# KiCad board current3x3A_Artiq.kicad_pcb (continued)
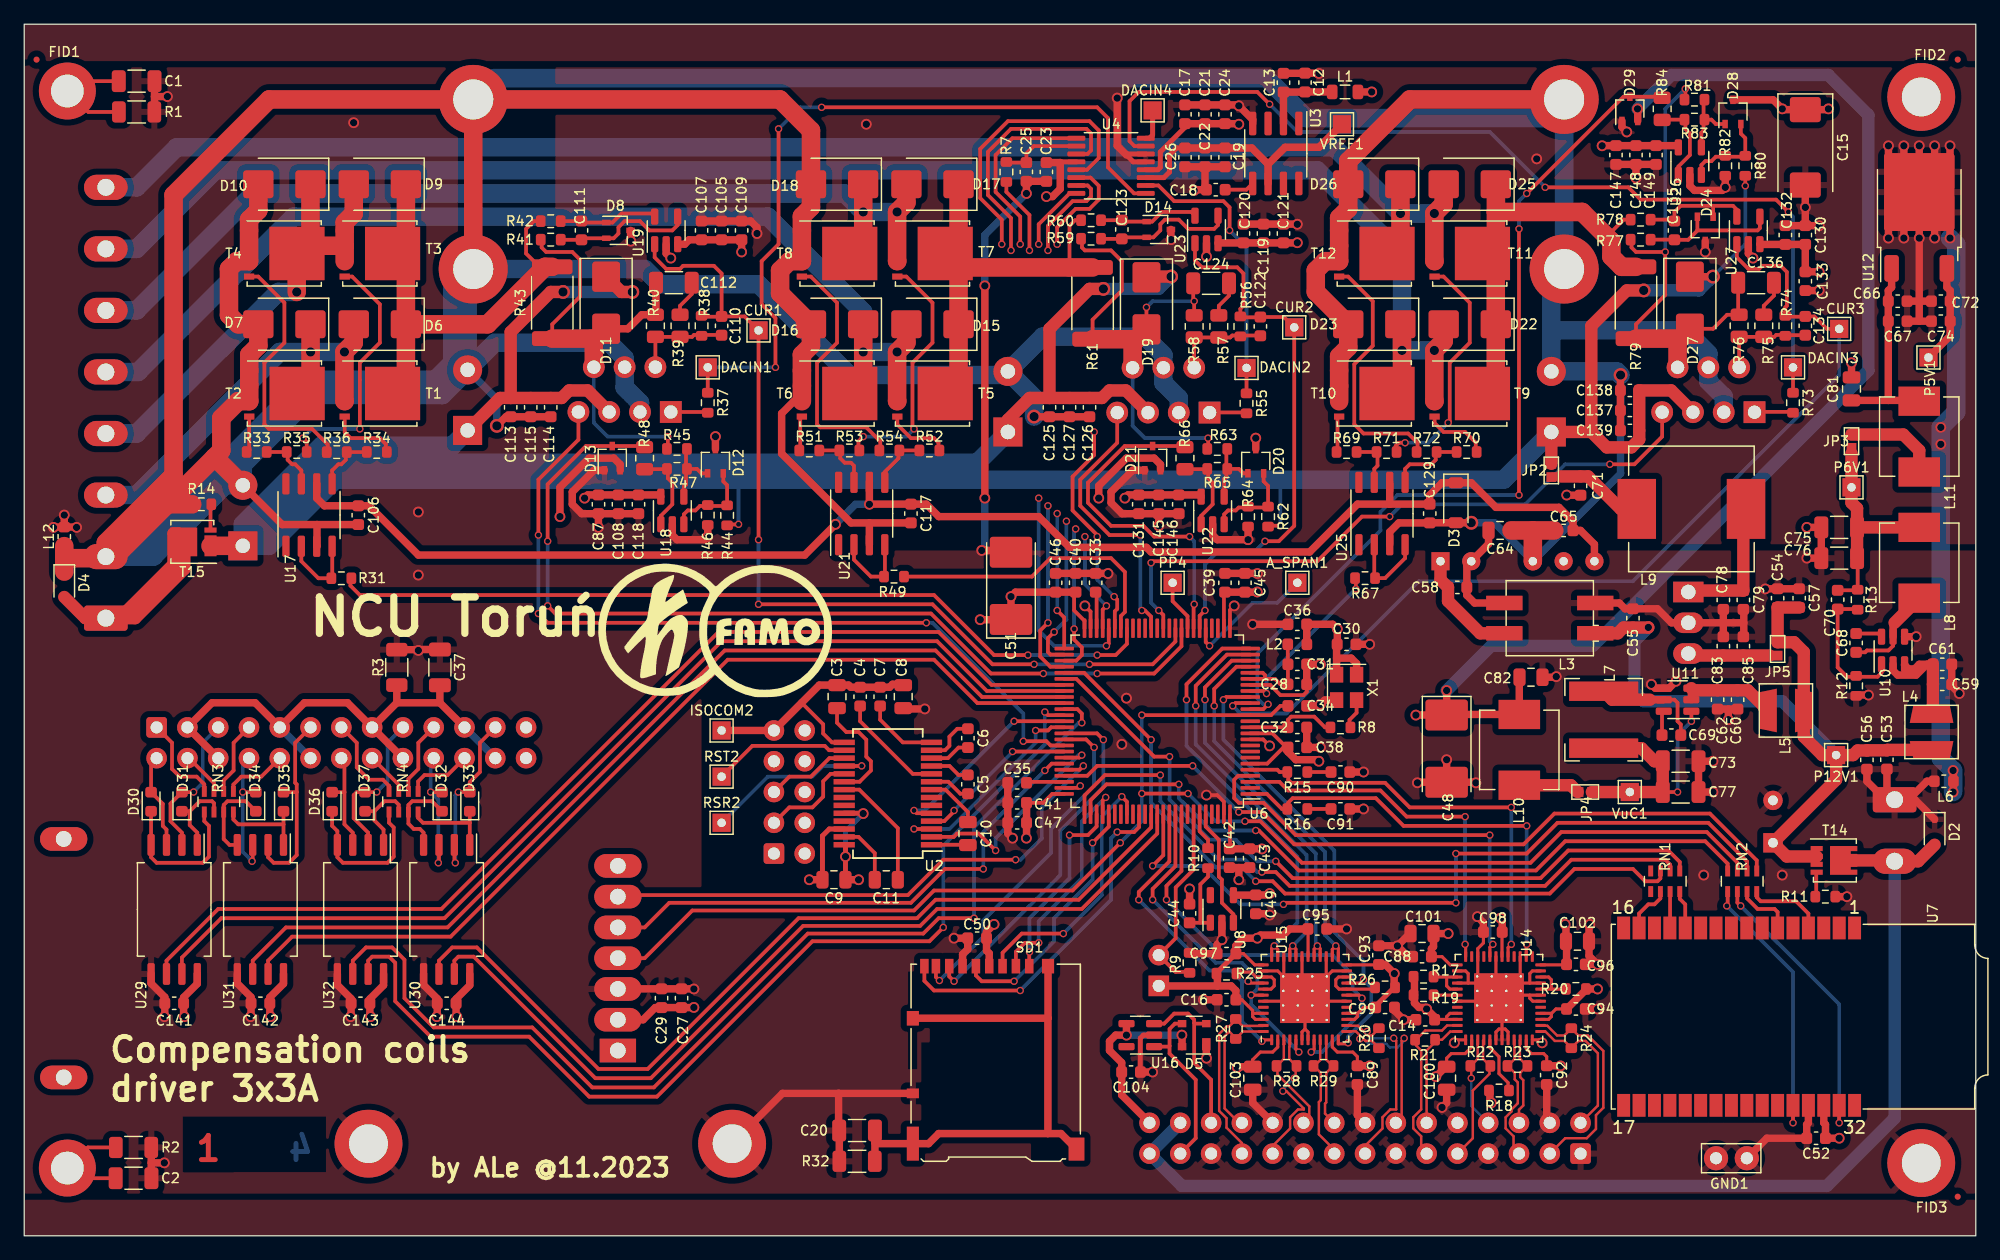
[diagram p0: board, top side]
## Routing (per net, layer and track width the routed paths; a pad name or vN(x,y) marks a point on that pad's centre or on a via; arc(x,y) is an arc through that point) (continued)
J4_3: length 37.4
  Top w1.524: T2.5 23.62,70.63 v3(23.62,72.95) 23.62,75.23 D7.1 ; T1.3 26.42,68.91 v3(26.42,72.95) 27.19,73.72 D6.2
  Bottom w1.524: J1.3 9.27,61.14 21.08,72.95 v3(23.62,72.95) v3(26.42,72.95)
J4_4: length 40.8
  Top w1.524: T3.2 23.13,81.71 T4.5 ; T3.3 T3.1 26.44,83.64 27.19,84.39 D9.2 ; T4.5 23.61,82.19 D10.1 ; T4.5 22.48,81.06 v3(22.48,77.9)
  Bottom w1.524: J1.4 9.27,66.22 20.95,77.9 v3(22.48,77.9)
J4_5: length 90
  Top w1.524: T6.5 69.22,70.63 v3(69.22,72.95) 69.22,75.23 D16.1 ; D15.2 72.78,73.72 v3(72.01,72.95) 72.01,68.91 T5.3
  Bottom w1.524: v3(72.01,72.95) v3(69.22,72.95) 69.22,76.25 61.34,84.12 22.23,84.12 9.4,71.3 J1.5
J4_6: length 82.8
  Top w1.524: T8.5 69.22,82.19 v3(69.22,84.51) 69.22,86.78 D18.1 ; T7.3 72.01,80.46 v3(72.01,84.51) 72.78,85.28 D17.2
  Bottom w1.524: v3(72.01,84.51) v3(69.22,84.51) 67.69,86.03 18.92,86.03 9.27,76.38 J1.6
J4_7: length 136
  Top w1.524: 113.53,75.23 113.67,75.1 v3(113.67,73.08) 113.67,70.76 T10.5 ; T9.3 116.33,68.91 v3(116.33,73.08) 117.1,73.85 D22.2
  Bottom w1.524: J1.7 9.27,81.46 15.75,87.94 106.68,87.94 113.67,80.95 v3(113.67,73.08) v3(116.33,73.08)
J4_8: length 126.1
  Top w1.524: D25.2 117.1,85.15 v3(116.33,84.38) 116.33,80.46 T11.3 ; T12.5 113.54,82.19 v3(113.54,84.38) 113.54,86.78 113.53,86.79
  Bottom w1.524: v3(116.33,84.38) v3(113.54,84.38) 108.08,89.84 12.57,89.84 9.27,86.54 J1.8
SPI_MISO: length 35.6
  Top w0.254: v2(121.16,24.05) 120.92,23.81 U14.32
  Top w0.305: v2(120.9,33.07) 104.9,33.07 102.23,35.74 100.2,35.74 99.82,36.12 99.82,37.64 100.15,37.97 101.15,37.97
  Bottom w0.305: v2(121.16,24.05) 120.9,24.31 v2(120.9,33.07)
SPI_MOSI: length 35.6
  Top w0.254: v2(122.68,24.05) 122.42,23.79 U14.29
  Top w0.305: 101.15,38.47 103.38,38.47 103.57,38.28 104.28,38.28 104.28,37.63 104.52,37.39 112.27,37.39 114.3,35.36 v2(122.68,35.36)
  Bottom w0.305: v2(122.68,35.36) v2(122.68,24.05)
SPI_NSS: length 30.5
  Top w0.254: v2(118.87,24.05) 118.92,24.01 U14.36
  Top w0.305: v2(118.87,34.59) 114.05,34.59 111.89,36.75 104.27,36.75 103.55,37.47 101.15,37.47
  Bottom w0.305: v2(118.87,34.59) v2(118.87,24.05)
SPI_SCK: length 35.7
  Top w0.254: v2(123.95,24.05) 123.92,24.02 U14.26
  Top w0.305: v2(123.95,33.83) 113.79,33.83 111.51,36.12 104.65,36.12 104.28,35.75 104.28,35.23 103.76,35.23 102.52,36.47 101.15,36.47
  Bottom w0.305: v2(123.95,33.83) v2(123.95,24.05)
TTL0: length 88.2
  Top w0.305: U29.6 11.74,22.71 16,26.97 34.42,26.97 57.28,49.84 75.44,49.84 79.8,45.47 U6.57
TTL1: length 86.7
  Top w0.305: U29.7 13.01,22.96 16.26,26.21 34.67,26.21 57.53,49.07 75.31,49.07 79.42,44.97 U6.58
TTL2: length 80.2
  Top w0.305: U31.6 18.85,22.71 21.59,25.45 34.92,25.45 57.78,48.31 75.18,48.31 79.03,44.47 U6.59
TTL3: length 78.5
  Top w0.305: U31.7 20.12,22.71 22.1,24.69 35.18,24.69 58.04,47.55 75.06,47.55 78.64,43.97 U6.60
TTL4: length 87.6
  Top w0.305: 27.1,21.61 27.1,22.71 28.19,23.8 30.35,23.8 31.37,22.78 31.37,19.61 33.78,17.2 41.91,17.2 46.86,12.24 51.94,12.24 64.64,24.94 74.17,24.94 75.44,26.21 v2(78.36,26.21) ; v2(87.25,42.34) 87.25,43.1 86.88,43.47 U6.61
  Bottom w0.305: v2(78.36,26.21) 78.36,33.71 87,42.34 v2(87.25,42.34)
TTL5: length 84.1
  Top w0.305: v2(75.82,25.45) 74.68,24.31 65.02,24.31 52.2,11.48 46.61,11.48 41.66,16.43 33.53,16.43 30.61,19.36 30.61,22.53 30.1,23.04 28.7,23.04 28.37,22.71 U32.7 ; v2(84.2,43.23) 84.46,42.97 U6.62
  Bottom w0.305: v2(75.82,25.45) 75.82,32.18 84.2,40.56 v2(84.2,43.23)
TTL6: length 73.8
  Top w0.305: U30.6 34.22,22.71 35.31,23.8 37.34,23.8 47.37,13.77 51.44,13.77 63.88,26.21 73.66,26.21 75.18,27.74 87,27.74 92.97,33.71 U6.87
TTL7: length 73.3
  Top w0.305: U6.88 93.47,33.2 87.25,26.97 75.31,26.97 73.91,25.58 64.26,25.58 51.69,13 47.12,13 37.08,23.04 35.81,23.04 35.48,22.71 U30.7
Vdrive: length 122.3
  Top w0.61: U25.6 112.65,60.39 ; 112.65,60.39 110,60.39 106.05,56.44 92.96,56.44 92.58,56.82 86.23,56.82 83.69,59.36 75.45,59.36 74.42,60.39 C117.1 69.74,60.39 v1(69.72,60.38) U21.6 ; 112.65,60.39 C129.1 115.95,61.14 116.97,62.15 D3.1 119.38,62.15 121.41,60.12 126.62,60.12 127.78,58.97 C65.1 128.4,58.22 129.54,57.07 U9.6 ; U17.6 24.13,60.88 24.76,60.25 C106.1 28.45,60.25 32.52,56.19 64.39,56.19 v1(66.93,58.73)
  Bottom w0.61: v1(66.93,58.73) 68.58,60.38 v1(69.72,60.38)
Net-(BOOT0-Pin_2): length 15.9
  Top w0.305: U6.94 96.47,30.23 95,28.75 95,24.56 BOOT0.2 94.98,21.78 96.14,21.78
Net-(C1-Pad1): length 9.5
  Top w0.305: C1.1 4.37,95.3 H1.1 5.28,92.76 R1.1
Net-(C2-Pad1): length 9
  Top w0.305: C2.1 4.39,4.75 H2.1 5.26,7.29 R2.1
Net-(C33-Pad2): length 3
  Top w0.305: U6.48 88.47,53.04 C33.2
Net-(C35-Pad2): length 3.1
  Top w0.305: C35.2 82.77,37.47 U6.73
Net-(C90-Pad1): length 2
  Top w0.305: 105.78,38.28 C90.1
Net-(C91-Pad1): length 2
  Top w0.305: 105.78,35.23 C91.1
Net-(C112-Pad2): length 3
  Top w0.305: C112.2 55.07,77.73 54.1,76.76 R39.1
Net-(C124-Pad2): length 3
  Top w0.305: R57.1 98.55,76.76 99.39,77.6 C124.2
Net-(C136-Pad2): length 3
  Top w0.305: R75.1 143.51,76.76 144.35,77.6 C136.2
Net-(D30-K): length 12.8
  Top w0.305: RN3.5 14.85,34.22 15.24,33.83 15.24,31.29 14.73,30.78 10.92,30.78 10.47,31.24 D30.1
Net-(D31-K): length 6.8
  Top w0.305: 14.28,32.26 14.28,33.27 13.65,33.9 13.65,35.04 ; 13.65,35.04 14.48,35.86 15.49,35.86 15.65,35.7 RN3.6 ; 13.65,35.04 D31.1
Net-(J6-Pin_1): length 7.7
  Top w0.305: RN3.4 14.85,37.27 14.22,37.9 12.83,37.9 12.19,38.53 12.19,40.69 J6.1
Net-(J6-Pin_4): length 3.7
  Top w0.305: RN3.3 15.65,37.36 13.59,39.42 J6.4
Net-(J6-Pin_7): length 6.1
  Top w0.305: J6.7 17.27,40.69 17.27,38.41 16.45,37.59 RN3.2
Net-(J6-Pin_10): length 5.3
  Top w0.305: J6.10 19.56,37.9 17.91,37.9 17.25,37.24 RN3.1
Net-(J6-Pin_12): length 45.2
  Top w0.61: C37.1 34.29,43.99 ; 34.29,43.99 J6.21 ; 34.29,43.99 30.73,43.99 ; J6.6 J6.3 15.49,43.99 19.05,43.99 J6.9 23.11,43.99 26.67,43.99 J6.15 ; R3.1 30.73,43.99 ; 30.73,43.99 J6.15 ; J6.15 J6.18
  Bottom w0.61: J6.9 J6.12 ; J6.21 J6.24
Net-(J6-Pin_13): length 7.6
  Top w0.305: RN4.4 30.09,37.14 29.59,37.64 28.45,37.64 27.43,38.66 27.43,40.69 J6.13
Net-(J6-Pin_16): length 3.7
  Top w0.305: J6.16 30.89,37.23 RN4.3
Net-(J6-Pin_19): length 6.1
  Top w0.305: J6.19 32.51,40.69 32.51,38.53 31.69,37.71 RN4.2
Net-(J6-Pin_22): length 5.4
  Top w0.305: RN4.1 32.49,37.5 33.02,38.02 34.92,38.02 J6.22
Net-(R47-Pad1): length 7
  Top w0.305: U18.1 52.52,59.43 53.47,60.38 53.47,62.15 53.1,62.52 53.1,63.3 53.07,63.27 R48.1
Net-(R65-Pad1): length 7
  Top w0.305: R66.1 97.65,63.27 97.67,63.3 97.67,62.52 98.04,62.15 98.04,60.38 97.09,59.43 U22.1
Net-(R83-Pad1): length 7
  Top w0.305: U26.1 136.46,88.25 137.41,89.2 137.41,90.98 137.04,91.35 137.04,92.13 135.15,92.13 R84.1
Net-(T14-G): length 2
  Top w0.305: 147.84,27.99 147.84,29.97 T14.4
Net-(T15-G): length 2.2
  Top w0.305: R14.1 15.37,60.31 T15.4
Net-(U2-C1+): length 4.6
  Top w0.305: C10.1 77.85,34.98 76,36.83 U2.8
Net-(U2-C1-): length 3
  Top w0.305: C10.2 77.82,32.28 U2.1
Net-(U2-C2+): length 10
  Top w0.305: C11.2 72.07,33.64 68.89,36.83 U2.21
Net-(U2-C2-): length 5.3
  Top w0.305: C11.1 70.17,31.58 68.83,32.92 U2.27
Net-(U2-C3+): length 3.4
  Top w0.305: C5.1 77.23,36.49 76.24,37.48 U2.9
Net-(U2-C3-): length 3.3
  Top w0.305: C5.2 77.08,38.04 76.34,38.77 U2.11
Net-(U2-C4+): length 3.4
  Top w0.305: U2.12 76.2,39.42 77.08,40.3 77.85,40.3
Net-(U2-C4-): length 4.2
  Top w0.305: C6.2 76.97,41.85 76.33,41.2 76.33,40.44 75.97,40.08 U2.13
Net-(U2-ISOVCC): length 9.5
  Top w0.305: 67.06,43.55 67.06,42.34 67.82,41.58 68.83,41.58 69.47,40.95 69.47,39.55 69.85,39.17 69.85,38.41 68.92,37.48 U2.20
Net-(U2-V+): length 8.9
  Top w0.305: U2.10 73.31,38.12 68.96,42.47 C4.1
Net-(U2-V-): length 6.1
  Top w0.305: U2.14 72.48,40.73 70.61,42.6 C7.1
Net-(U3-TRIM): length 2.5
  Top w0.305: 101.35,86.86 100.83,86.34 C18.2
Net-(U4-SCLK): length 6.8
  Top w0.305: U4.10 83.29,89.94 82.68,89.33 C25.1 81.08,88.58 R7.2
Net-(U8-SCL): length 6.6
  Top w0.305: 97.03,25.84 97.03,29.01 97.66,29.64 97.66,30.42 ; C44.1 96.14,25.84 U8.1
Net-(U10-BST): length 2.2
  Top w0.305: C68.2 152.97,49.71 U10.6
Net-(U10-FB): length 11.3
  Top w0.305: R13.2 151.21,51.73 C70.2 149.61,46.91 150.38,46.14 152.9,46.14 153.23,46.47 U10.1
Net-(U11-BST): length 2
  Top w0.305: 135.12,41.33 135.12,43.15 U11.6
Net-(U14-1FSEN): length 3.7
  Top w0.254: 117.35,21.36 117.35,20.62 117.61,20.36 U14.41 ; 117.35,21.36 116.3,21.36 R17.1 ; 117.35,21.36 U14.39
Net-(U14-2DE): length 4.8
  Top w0.254: U14.5 120.92,15.53 121.67,14.78 121.67,13.39 122.42,12.64 122.42,11.99
Net-(U14-3FSEN): length 3.8
  Top w0.254: 127.19,20.37 127.18,20.36 125.98,20.36 ; 125.98,20.36 125.98,21.13 125.76,21.36 U14.22 ; 125.98,20.36 U14.20
Net-(U14-~{2RE}): length 2
  Top w0.254: R19.1 116.27,19.86 U14.42
Net-(U15-1FSEN): length 5
  Top w0.254: 99.94,21.64 100.06,21.77 101.22,21.77 101.63,21.36 U15.39 102.9,21.36 103.12,21.13 103.12,20.62 102.86,20.36 U15.41
Net-(U15-3FSEN): length 5
  Top w0.254: U15.22 108.43,21.36 108.2,21.13 108.2,20.62 108.47,20.36 U15.20 111.38,20.36 111.52,20.5
Net-(U17-IN_A): length 7
  Top w0.305: U17.2 22.86,55.68 24.27,54.27 25.41,54.27 25.41,56.9 U17.4
Net-(U17-OUT_B): length 4.9
  Top w0.305: R34.2 28.25,64.68 R36.2 ; 26.53,64.68 26.53,64.05 26.16,63.68 25.91,63.68 25.4,63.17 U17.5
Net-(U17-~{OUT_A}): length 5.1
  Top w0.305: 19.93,64.69 21.73,64.69 21.73,64.05 22.1,63.68 22.35,63.68 22.86,63.17 U17.7
Net-(U18-+): length 7.5
  Top w0.305: D12.2 57.67,62.27 57.99,61.95 57.99,60.21 57.96,60.24 55.74,60.24 55.37,59.87 54.74,59.87 54.42,59.55 U18.3
Net-(U18--): length 5.9
  Top w0.305: 54.6,63.3 54.6,62.02 54.42,61.83 U18.4 ; 54.6,63.3 55.5,63.3 55.86,62.93 56.37,62.93 ; 54.6,63.3 54.6,64.95
Net-(U19-+): length 11.8
  Top w0.305: R41.1 44.27,82.21 C111.2 46.1,82.33 D8.2 48.63,82.33 49.02,82.73 49.02,83.24 49.53,83.74 50.8,83.74 51.56,82.98 53.47,82.98 53.91,83.42 53.91,84.12
Net-(U19--): length 8.3
  Top w0.305: U19.5 51.75,84.38 49.28,84.38 48.53,83.63 D8.1 46.1,83.63 45.97,83.76 45.96,83.74 44.18,83.74
Net-(U20-IN+): length 3.1
  Top w0.305: R37.2 56.33,68 U20.1
Net-(U20-IN-): length 8
  Top w0.305: U20.2 R40.2 R39.2 55.09,74.2 55.26,74.36 57.51,74.36 57.53,74.33
Net-(U21-IN_A): length 7
  Top w0.305: 68.45,57.04 68.45,55.8 69.85,54.41 71,54.41 71,57.03 70.99,57.04
Net-(U21-OUT_B): length 4.9
  Top w0.305: 73.93,64.82 72.12,64.82 72.12,64.17 70.99,63.04 U21.5
Net-(U21-~{OUT_A}): length 5.2
  Top w0.305: U21.7 68.45,63.55 68.2,63.8 67.69,63.8 67.32,64.17 67.32,64.82 65.52,64.82
Net-(U22-+): length 7.6
  Top w0.305: D20.2 102.25,62.27 102.62,61.9 102.62,60.11 100.19,60.11 99.95,59.87 99.31,59.87 98.99,59.55 U22.3
Net-(U22--): length 5.9
  Top w0.305: U22.4 98.99,62.47 99.17,62.65 99.17,63.3 ; 99.17,63.3 100.2,63.3 100.57,62.93 D20.1 ; 99.17,63.3 99.17,64.95
Net-(U23-+): length 11.8
  Top w0.305: R59.1 88.85,82.28 C123.2 90.68,82.41 93.15,82.41 93.73,82.98 93.73,83.49 94.11,83.87 95.25,83.87 96.01,83.11 98.17,83.11 98.49,83.42 U23.4
Net-(U23--): length 8.3
  Top w0.305: U23.5 96.28,84.51 93.85,84.51 93.06,83.71 D14.1 90.68,83.71 C123.1 90.54,83.82 88.76,83.82
Net-(U24-IN+): length 3.1
  Top w0.305: 100.84,67.96 97.8,67.96 U24.1
Net-(U24-IN-): length 8
  Top w0.305: C122.1 101.96,74.31 99.66,74.31 99.49,74.15 R57.2 R58.2 U24.2
Net-(U25-IN_A): length 7.1
  Top w0.305: 113.92,57.04 113.92,55.93 112.27,54.28 111.37,54.28 111.38,54.29 111.38,57.04
Net-(U25-OUT_B): length 6.4
  Top w0.305: U25.5 113.92,63.3 114.3,63.68 116.08,63.68 116.45,64.05 116.45,64.69 118.25,64.69
Net-(U25-~{OUT_A}): length 4.4
  Top w0.305: 111.38,62.19 111.38,63.3 111.64,63.56 111.64,64.69 109.84,64.69
Net-(U26-+): length 7.6
  Top w0.305: D28.2 141.62,90.97 141.99,90.6 141.99,89.07 139.56,89.07 139.19,88.7 138.68,88.7 138.36,88.38 U26.3
Net-(U26--): length 5.9
  Top w0.305: 138.54,92.13 139.19,92.13 139.56,91.76 D28.1 ; 138.54,92.13 138.54,93.78 ; 138.54,92.13 138.54,91.22 138.36,91.04 U26.4
Net-(U27-+): length 11.6
  Top w0.305: 134.1,82.22 136.13,82.22 C135.2 137.27,82.21 138.05,82.98 ; 138.05,82.98 138.03,83 138.03,84.11 ; 138.05,82.98 143,82.98 143.19,83.17 U27.4
Net-(U27--): length 9.8
  Top w0.305: 139.32,85.01 139.33,85 139.33,84.11 ; 139.32,85.01 136.65,85.01 136.14,84.51 136.14,83.76 136.03,83.87 134.1,83.87 ; 139.32,85.01 140.97,85.01 141.29,84.69 U27.5
Net-(U28-IN+): length 3.2
  Top w0.305: 145.92,68.01 142.78,68.01 U28.1
Net-(U28-IN-): length 8.1
  Top w0.305: 146.94,74.33 145.31,74.33 145.29,74.36 144.54,74.36 144.38,74.2 R75.2 R76.2 U28.2
Net-(X1-OUT): length 2.5
  Top w0.305: 109.33,41.96 109.33,42.58 109.92,43.17 X1.3

## Copper pours and planes (outline as drawn; the poured copper is in the pictures)
+3V3 on In2.Cu: 0,96.95 43.31,96.95 43.31,56.57 161.04,56.57 161.04,2.97 0,2.97
+5VA on In2.Cu: 161.04,96.95 43.81,96.95 43.81,57.07 161.04,57.07
GND on Top: 0,96.95 43.31,96.95 43.31,56.57 161.04,56.57 161.04,2.97 0,2.97
GND on Bottom: 161.04,56.57 30.73,56.57 23.11,48.95 0,48.95 0,2.97 161.04,2.97
GND on In1.Cu: 0,96.95 43.31,96.95 43.31,56.57 161.04,56.57 161.04,2.97 0,2.97
GNDA on Top: 161.04,96.95 43.81,96.95 43.81,57.07 161.04,57.07
GNDA on In1.Cu: 161.04,96.95 43.81,96.95 43.81,57.07 161.04,57.07
(no net) on Top: 161.04,0.05 161.04,2.97 0,2.97 0,0.05
(no net) on Top: 161.04,100 161.04,96.95 0,96.95 0,100
(no net) on Bottom: 161.04,100 161.04,96.95 0,96.95 0,100
(no net) on Bottom: 161.04,0.05 161.04,2.97 0,2.97 0,0.05
J4_2 on Bottom: 161.04,57.07 30.48,57.07 22.86,49.45 0,49.45 0,96.95 161.04,96.95

## Text on the board
Bottom: 4
B.Silkscreen: +15V (10A) | TO IDC_BNC_adapter | TO KASLI | + L3 - | + L2 - | + L1 - | GND | +12V | TO CHILLER | by ALe @11.2023 | Compensation coils / driver 3x3A | NCU Toruń
Top: 1
F.Silkscreen: by ALe @11.2023 | Compensation coils / driver 3x3A | NCU Toruń
In1.Cu: 2
In2.Cu: 3
